# KiCad board M92 Bluetooth Adapter Motherboard.kicad_pcb
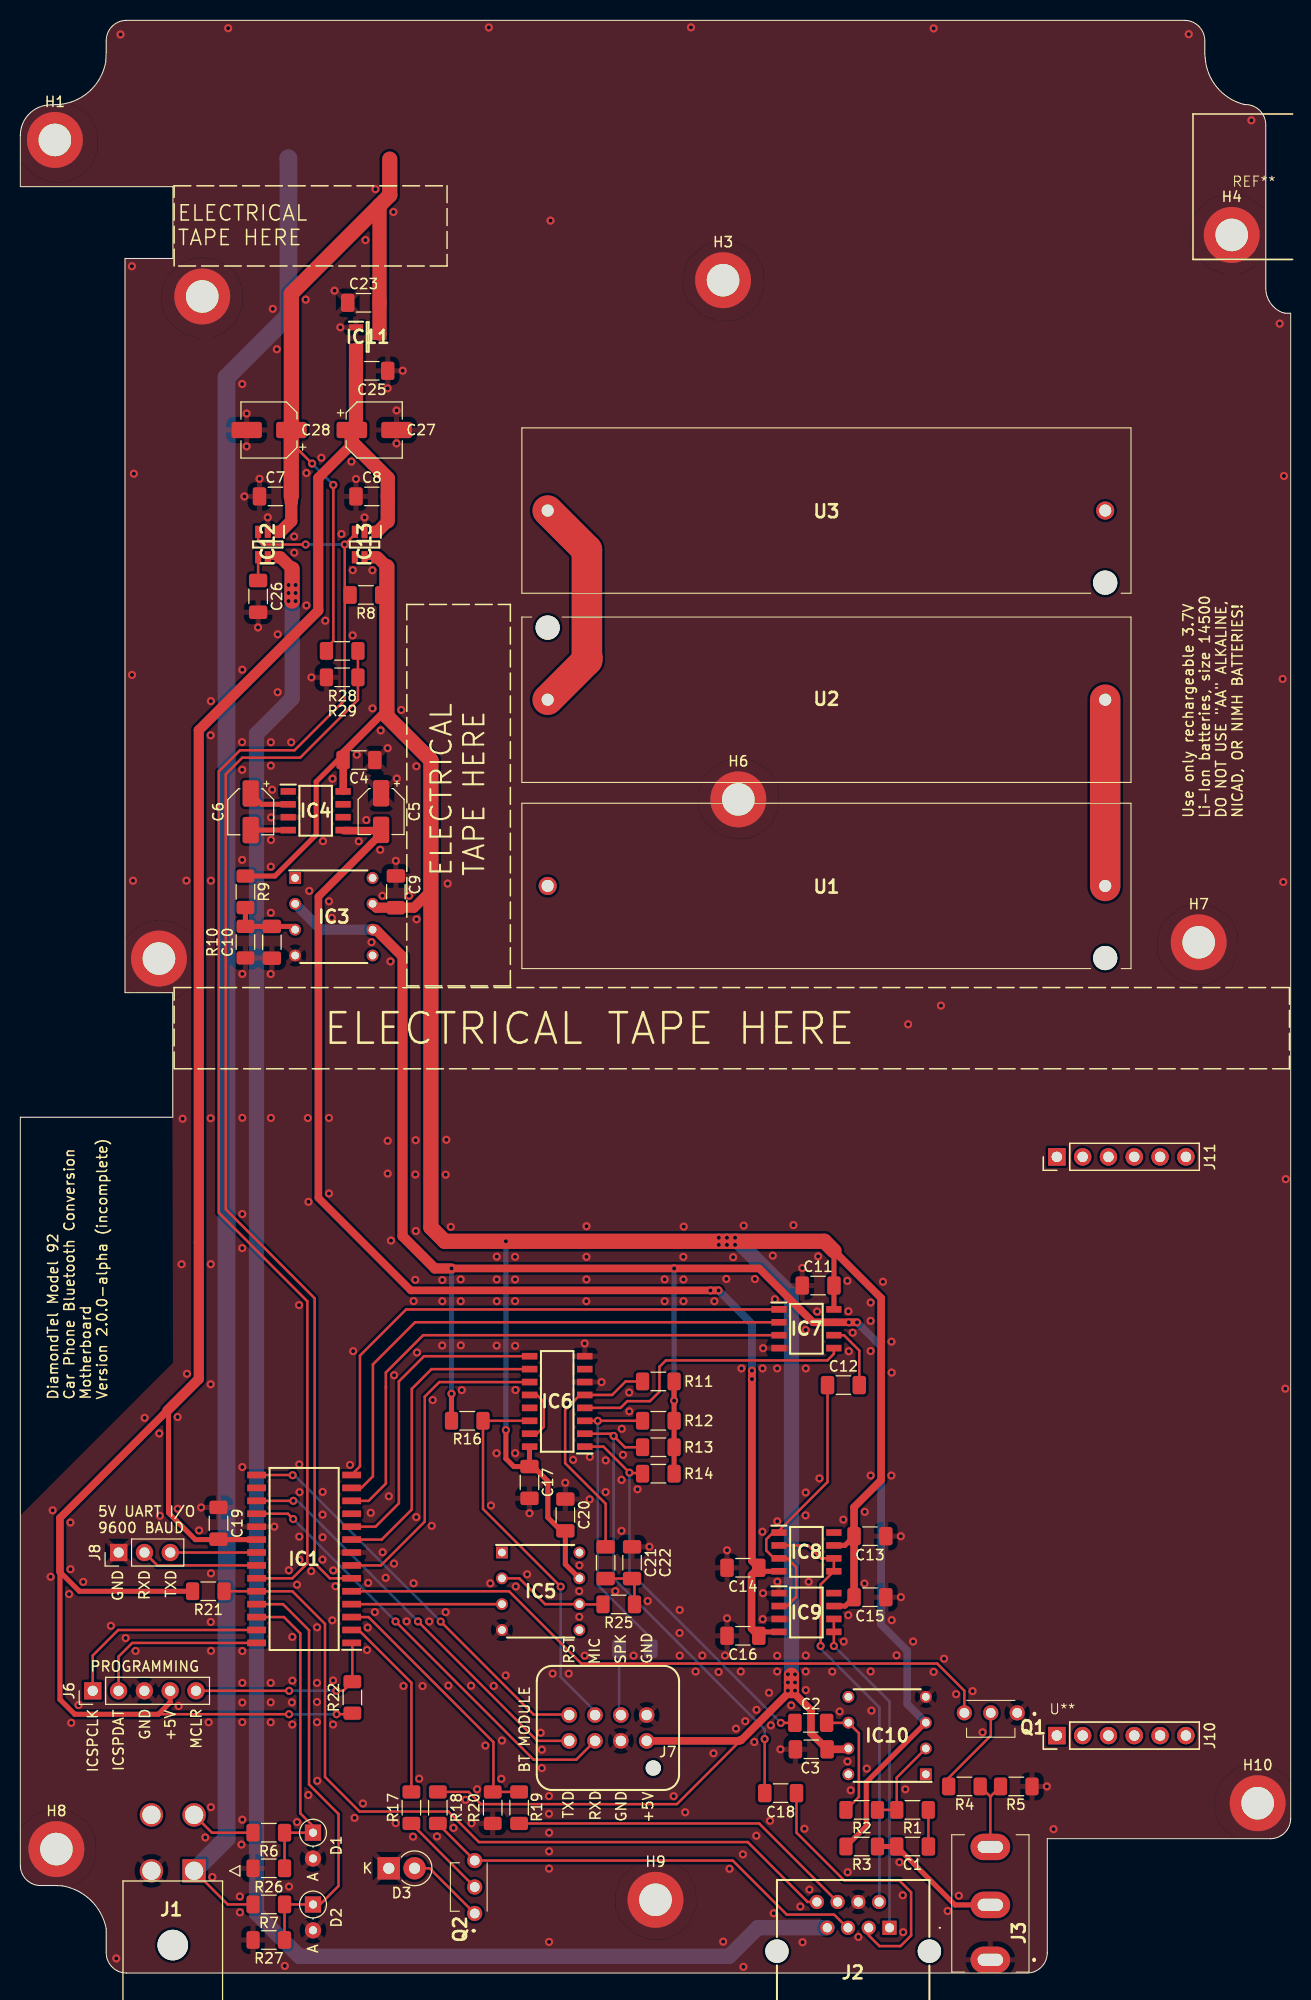
[diagram p0: board, top side]
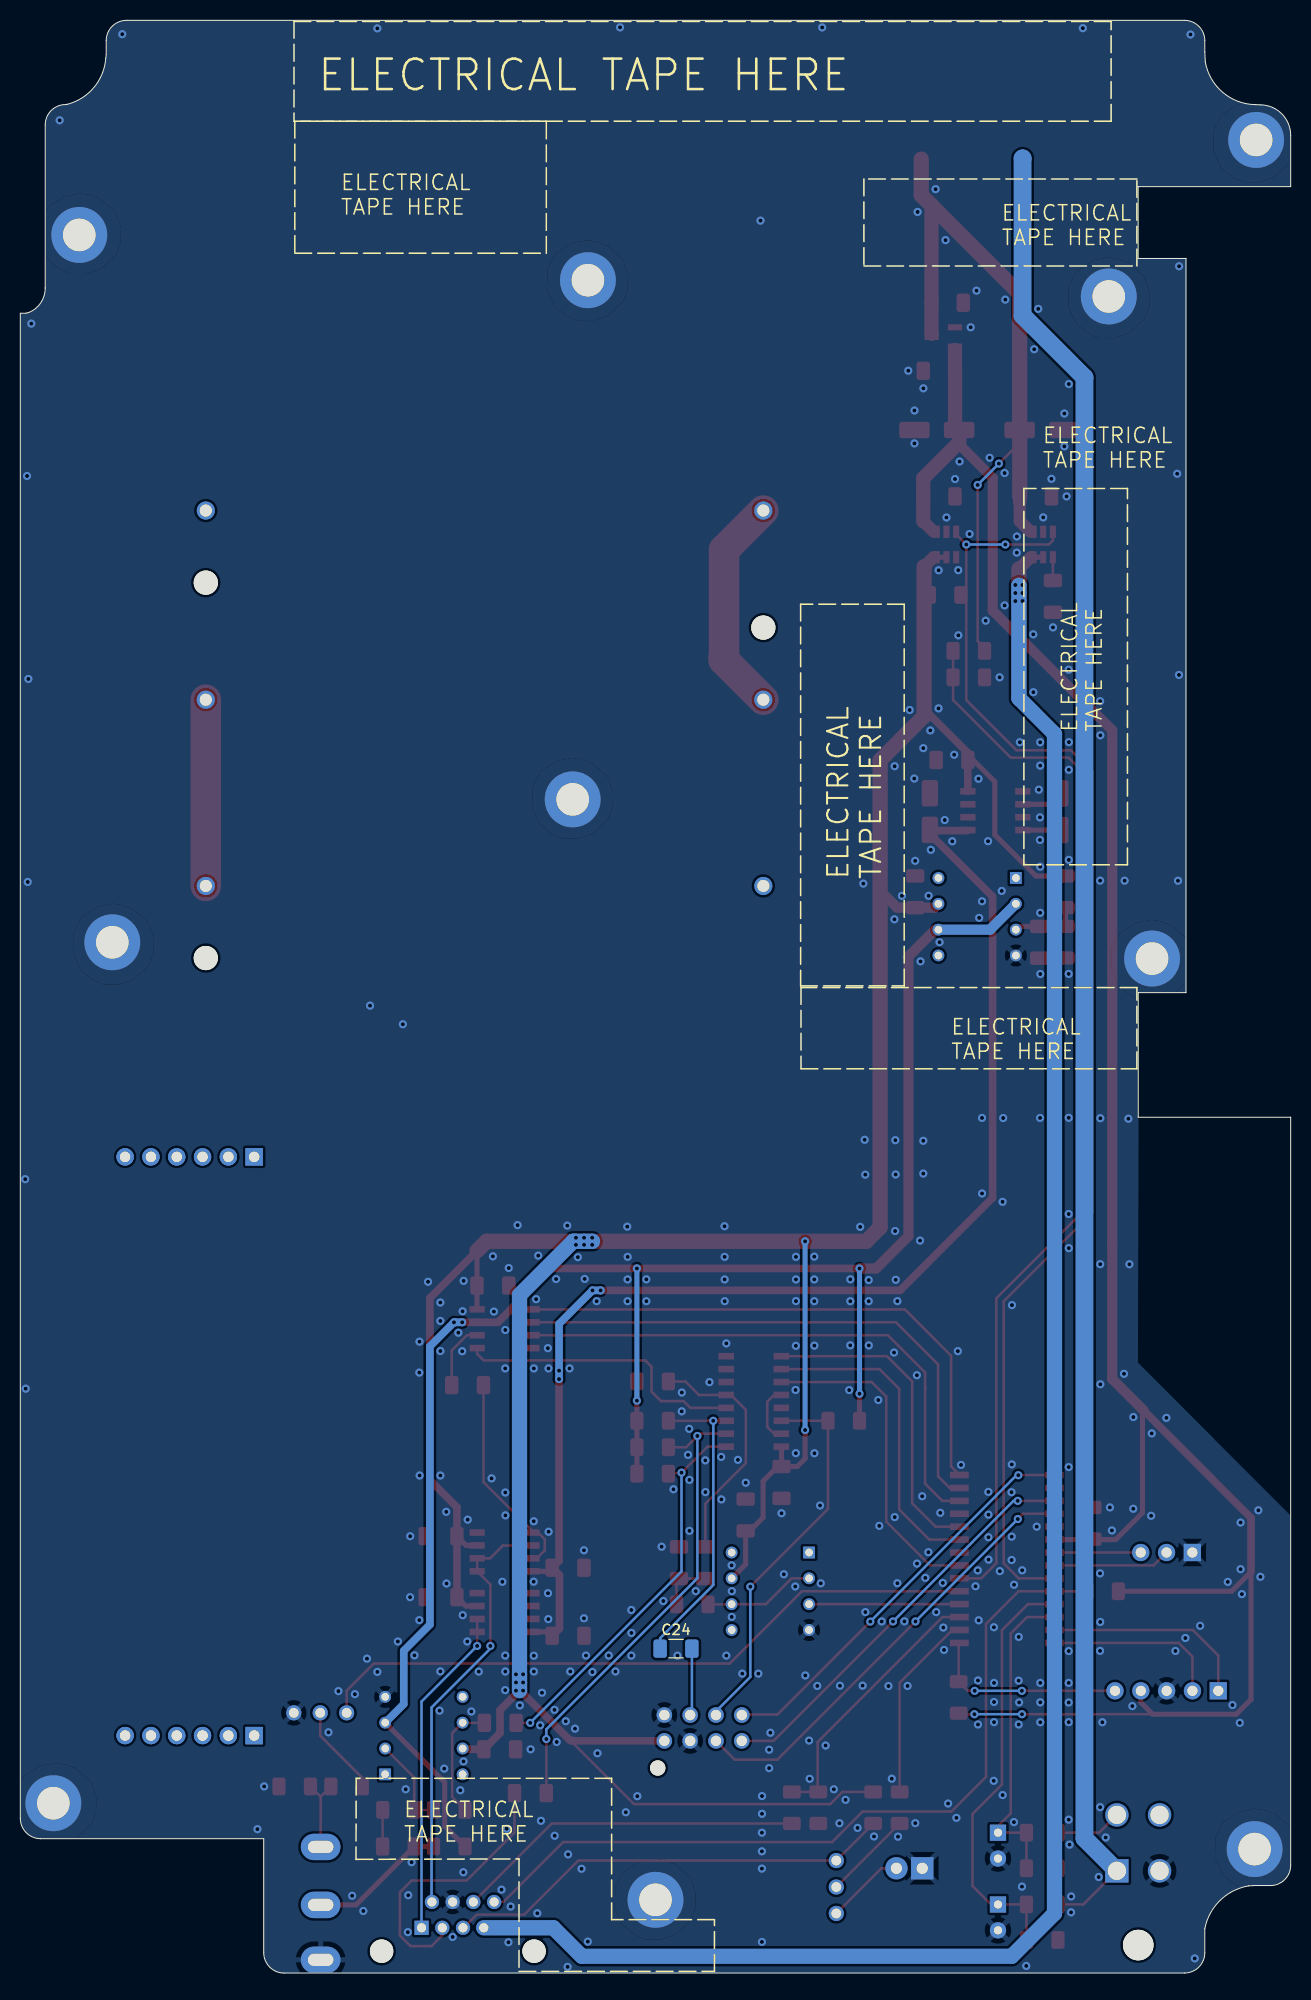
[diagram p1: board, bottom side, seen from below]

Outline 125 x 192 mm; copper layers: Top, Bottom. Coordinates in mm from the lower left corner of the outline.
Outline path: 0,180.69 0,175.65 15.01,175.65 15.01,168.59 10.3,168.59 10.3,96.4 15,96.4 15,84.15 0,84.15 0,10.6 arc(0.59,9.19) 2,8.6 3.65,8.6 4.14,8.57 arc(6.96,7.13) 8.45,4.35 8.45,2 arc(9.04,0.59) 10.45,0 99.05,0 arc(100.46,0.59) 101.05,2 101.05,13.21 123,13.21 arc(124.41,13.8) 125,15.21 125,163.2 124.45,163.2 124.2,163.27 arc(122.99,164.22) 122.55,165.69 122.55,181.72 arc(121.96,183.13) 120.55,183.72 120.35,183.75 arc(117.75,185.42) 116.59,188.28 116.55,188.65 116.55,190 arc(115.96,191.41) 114.55,192 10.45,192 arc(9.04,191.41) 8.45,190 8.45,188.89 8.4,187.91 arc(6.7,184.93) 3.5,183.71 3,183.69 arc(0.88,182.81) 0,180.69

## Placement (name value [footprint] x y rotation side)
C1  0.1uF  [C_1206_3216Metric_Pad1.33x1.80mm_HandSolder]  87.79 12.44 180 top
C2  0.1uF  [C_1206_3216Metric_Pad1.33x1.80mm_HandSolder]  77.78 24.6 0 top
C3  0.1uF  [C_1206_3216Metric_Pad1.33x1.80mm_HandSolder]  77.83 22 0 top
C4  0.1uF  [C_1206_3216Metric_Pad1.33x1.80mm_HandSolder]  33.32 119.27 180 top
C5  10uF  [CP_Elec_4x5.4]  35.5 114.2 270 top
C6  10uF  [CP_Elec_4x5.4]  22.67 114.18 270 top
C7  1uF  [C_1206_3216Metric_Pad1.33x1.80mm_HandSolder]  25.1 145.19 180 top
C8  1uF  [C_1206_3216Metric_Pad1.33x1.80mm_HandSolder]  34.59 145.19 180 top
C9  0.1uF  [C_1206_3216Metric_Pad1.33x1.80mm_HandSolder]  36.95 106.31 270 top
C10  2.2uF  [C_1206_3216Metric_Pad1.33x1.80mm_HandSolder]  24.75 101.35 270 top
C11  0.1uF  [C_1206_3216Metric_Pad1.33x1.80mm_HandSolder]  78.5 67.6 180 top
C12  0.1uF  [C_1206_3216Metric_Pad1.33x1.80mm_HandSolder]  80.99 57.81 0 top
C13  1uF  [C_1206_3216Metric_Pad1.33x1.80mm_HandSolder]  83.6 42.96 0 top
C14  1uF  [C_1206_3216Metric_Pad1.33x1.80mm_HandSolder]  71.1 39.85 180 top
C15  1uF  [C_1206_3216Metric_Pad1.33x1.80mm_HandSolder]  83.6 36.96 0 top
C16  1uF  [C_1206_3216Metric_Pad1.33x1.80mm_HandSolder]  71.1 33.16 180 top
C17  0.1uF  [C_1206_3216Metric_Pad1.33x1.80mm_HandSolder]  50.1 48.24 270 top
C18  0.1uF  [C_1206_3216Metric_Pad1.33x1.80mm_HandSolder]  74.81 17.69 0 top
C19  0.1uF  [C_1206_3216Metric_Pad1.33x1.80mm_HandSolder]  19.5 44.22 270 top
C20  0.1uF  [C_1206_3216Metric_Pad1.33x1.80mm_HandSolder]  53.63 45.04 90 top
C21  0.1uF  [C_1206_3216Metric_Pad1.33x1.80mm_HandSolder]  57.59 40.35 90 top
C22  10nF  [C_1206_3216Metric_Pad1.33x1.80mm_HandSolder]  60.19 40.35 270 top
C23  1uF  [C_1206_3216Metric_Pad1.33x1.80mm_HandSolder]  33.78 164.23 180 top
C24  0.1uF  [C_1206_3216Metric_Pad1.33x1.80mm_HandSolder]  60.48 31.9 180 bottom
C25  1uF  [C_1206_3216Metric_Pad1.33x1.80mm_HandSolder]  34.59 157.54 180 top
C26  4.7nF  [C_1206_3216Metric_Pad1.33x1.80mm_HandSolder]  23.4 135.36 270 top
C27  100uf  [CP_Elec_5x5.4]  34.82 151.72 0 top
C28  100uf  [CP_Elec_5x5.4]  24.47 151.72 180 top
D1  NZX5V1B,133  [D_DO-35_SOD27_P2.54mm_Vertical_AnodeUp]  28.8 13.8 270 top
D2  NZX5V1B,133  [D_DO-35_SOD27_P2.54mm_Vertical_AnodeUp]  28.8 6.74 270 top
D3  1N4007  [D_DO-41_SOD81_P2.54mm_Vertical_KathodeUp]  36.25 10.3 0 top
H1  MountingHole_Pad  [MountingHole_3.2mm_M3_ISO14580_Pad]  3.4 180.24 0 top
H2  MountingHole_Pad  [MountingHole_3.2mm_M3_ISO14580_Pad]  17.9 164.85 0 top
H3  MountingHole_Pad  [MountingHole_3.2mm_M3_ISO14580_Pad]  69.15 166.45 0 top
H4  MountingHole_Pad  [MountingHole_3.2mm_M3_ISO14580_Pad]  119.2 170.9 0 top
H5  MountingHole_Pad  [MountingHole_3.2mm_M3_ISO14580_Pad]  13.64 99.75 0 top
H6  MountingHole_Pad  [MountingHole_3.2mm_M3_ISO14580_Pad]  70.65 115.4 0 top
H7  MountingHole_Pad  [MountingHole_3.2mm_M3_ISO14580_Pad]  115.95 101.35 0 top
H8  MountingHole_Pad  [MountingHole_3.2mm_M3_ISO14580_Pad]  3.55 12.19 0 top
H9  MountingHole_Pad  [MountingHole_3.2mm_M3_ISO14580_Pad]  62.5 7.2 0 top
H10  MountingHole_Pad  [MountingHole_3.2mm_M3_ISO14580_Pad]  121.75 16.7 0 top
IC1  PIC18F27Q43-I/SO  [SOIC127P1030X265-28N]  27.93 40.72 180 top
IC3  NJU7031D / NJU7031M  [DIP762W56P254L880H425Q8N]  30.85 103.86 0 top
IC4  TL7660IDR  [SOIC127P600X175-8N]  29.06 114.28 0 top
IC5  NJU7031D / NJU7031M  [DIP762W56P254L880H425Q8N]  51.2 37.54 0 top
IC6  MAX4619CSE+  [SOIC127P600X175-16N]  52.83 56.21 180 top
IC7  MCP4151-103E/SN  [SOIC127P600X175-8N]  77.35 63.35 0 top
IC8  INA105KU/2K5G4  [SOIC127P600X175-8N]  77.35 41.41 0 top
IC9  INA105KU/2K5G4  [SOIC127P600X175-8N]  77.35 35.45 0 top
IC10  NJU7031D / NJU7031M  [DIP762W56P254L880H425Q8N]  85.29 23.35 180 top
IC11  MCP1702T-5002E_CB  [SOT95P255X145-3N]  34.18 160.87 0 top
IC12  TPS22810DBVR  [SOT95P280X145-6N]  24.35 140.46 270 top
IC13  TPS22917DBVR  [SOT95P280X145-6N]  33.87 140.46 270 top
J1  Conn_External_Power  [172448-YY04]  17.1 10.05 0 top
J2  Conn_Handset_RJ45  [KYCON_GLX-N-88M]  85.52 4.45 0 top
J3  Conn_External_Mic  [MJ3502N]  95.45 1.3 90 top
J6  Conn_MCU_Programming  [PinHeader_1x05_P2.54mm_Vertical]  7.12 27.75 90 top
J7  Conn_BT_Module  [JAE_DRA-8SC-F0]  61.63 25.37 180 top
J8  Conn_MCU_IO_UART  [PinHeader_1x03_P2.54mm_Vertical]  9.67 41.35 90 top
J10  PREC006SAAN-RC  [PinHeader_1x06_P2.54mm_Vertical]  101.99 23.35 90 top
J11  PREC006SAAN-RC  [PinHeader_1x06_P2.54mm_Vertical]  101.99 80.25 90 top
Q1  PN2222ATA / MMBT2222A  [BC33740TA]  96.39 25 180 top
Q2  PN2222ATA / MMBT2222A  [BC33740TA]  44.12 7.56 90 top
R1  5.1kΩ  [R_1206_3216Metric_Pad1.30x1.75mm_HandSolder]  87.79 16.04 0 top
R2  1MΩ  [R_1206_3216Metric_Pad1.30x1.75mm_HandSolder]  82.79 16.04 180 top
R3  1kΩ  [R_1206_3216Metric_Pad1.30x1.75mm_HandSolder]  82.79 12.44 0 top
R4  100kΩ  [R_1206_3216Metric_Pad1.30x1.75mm_HandSolder]  92.9 18.35 0 top
R5  100kΩ  [R_1206_3216Metric_Pad1.30x1.75mm_HandSolder]  98 18.35 180 top
R6  5.1kΩ  [R_1206_3216Metric_Pad1.30x1.75mm_HandSolder]  24.45 13.8 180 top
R7  5.1kΩ  [R_1206_3216Metric_Pad1.30x1.75mm_HandSolder]  24.45 6.75 180 top
R8  1MΩ  [R_1206_3216Metric_Pad1.30x1.75mm_HandSolder]  34 135.5 180 top
R9  100kΩ  [R_1206_3216Metric_Pad1.30x1.75mm_HandSolder]  22.15 106.31 270 top
R10  100kΩ  [R_1206_3216Metric_Pad1.30x1.75mm_HandSolder]  22.15 101.36 270 top
R11  100kΩ  [R_1206_3216Metric_Pad1.30x1.75mm_HandSolder]  62.78 58.17 0 top
R12  100kΩ  [R_1206_3216Metric_Pad1.30x1.75mm_HandSolder]  62.78 54.3 0 top
R13  100kΩ  [R_1206_3216Metric_Pad1.30x1.75mm_HandSolder]  62.78 51.7 0 top
R14  100kΩ  [R_1206_3216Metric_Pad1.30x1.75mm_HandSolder]  62.78 49.1 0 top
R16  100kΩ  [R_1206_3216Metric_Pad1.30x1.75mm_HandSolder]  43.98 54.3 0 top
R17  10kΩ  [R_1206_3216Metric_Pad1.30x1.75mm_HandSolder]  38.48 16.26 90 top
R18  2kΩ  [R_1206_3216Metric_Pad1.30x1.75mm_HandSolder]  41.08 16.26 270 top
R19  1kΩ  [R_1206_3216Metric_Pad1.30x1.75mm_HandSolder]  49.08 16.26 270 top
R20  2kΩ  [R_1206_3216Metric_Pad1.30x1.75mm_HandSolder]  46.48 16.26 270 top
R21  100kΩ  [R_1206_3216Metric_Pad1.30x1.75mm_HandSolder]  18.5 37.54 0 top
R22  10kΩ  [R_1206_3216Metric_Pad1.30x1.75mm_HandSolder]  32.67 27.1 90 top
R25  7.5kΩ  [R_1206_3216Metric_Pad1.30x1.75mm_HandSolder]  58.88 36.25 0 top
R26  100kΩ  [R_1206_3216Metric_Pad1.30x1.75mm_HandSolder]  24.45 10.3 0 top
R27  100kΩ  [R_1206_3216Metric_Pad1.30x1.75mm_HandSolder]  24.45 3.25 0 top
R28  560kΩ  [R_1206_3216Metric_Pad1.30x1.75mm_HandSolder]  31.67 130 0 top
R29  330kΩ  [R_1206_3216Metric_Pad1.30x1.75mm_HandSolder]  31.67 127.4 180 top
REF**  -  [DiamondTel Antenna Connector]  121.39 175.64 0 top
U1  -  [1028]  106.75 106.89 180 top
U2  -  [1028]  51.89 125.2 0 top
U3  -  [1028]  106.75 143.8 180 top
U**  -  [Programming Port]  102.04 23.35 0 top

## Library data of the parts
C1-C4 C9 C11 C12 C17-C21 C24 = -: Description: Unpolarized capacitor; JLCPCB Part #: C24497; Manufacturer_Name: KEMET; Manufacturer_Part_Number: C1206C104J4HACTU; Mouser Part Number: 80-C1206C104J4HACTU; Mouser Price/Stock: https://www.mouser.com/ProductDetail/KEMET/C1206C104J4HACTU?qs=W0yvOO0ixfH3SzteelzlzQ%3D%3D
C5 C6 = -: Description: Polarized capacitor; Height: 5.4; JLCPCB Part #: C473425; Manufacturer_Name: KEMET; Manufacturer_Part_Number: EDH106M016A9BAA; Mouser Part Number: 80-EDH106M016A9BAA; Mouser Price/Stock: https://www.mouser.com/ProductDetail/KEMET/EDH106M016A9BAA?qs=iR2ablhfrmGRSCLQdrL4eg%3D%3D
C7 C8 C13-C16 C23 C25 = -: Description: Unpolarized capacitor; JLCPCB Part #: C1848; Manufacturer_Name: KEMET; Manufacturer_Part_Number: C1206C105J4RAC; Mouser Part Number: 80-C1206C105J4RAC; Mouser Price/Stock: https://www.mouser.com/ProductDetail/KEMET/C1206C105J4RAC?qs=esDHISMOsl0f41aGH%2FVPNQ%3D%3D
C10 = -: Description: Unpolarized capacitor; JLCPCB Part #: C454096; Manufacturer_Name: KEMET; Manufacturer_Part_Number: C1206C225J4RACTU; Mouser Part Number: 80-C1206C225J4R; Mouser Price/Stock: https://www.mouser.com/ProductDetail/KEMET/C1206C225J4RACTU?qs=m0aKnHR%2FAE52qxZ60Kenpg%3D%3D
C22 = -: Description: Unpolarized capacitor; JLCPCB Part #: C1846; Manufacturer_Name: KEMET; Manufacturer_Part_Number: C1206C103J5RAC7210; Mouser Part Number: 80-C1206C103J5RACLR; Mouser Price/Stock: https://www.mouser.com/ProductDetail/KEMET/C1206C103J5RAC7210?qs=6%252BYqE%252B3CbMnE88U2bDOWwA%3D%3D
C26 = -: Description: Unpolarized capacitor; JLCPCB Part #: C105997; Manufacturer_Name: KEMET; Manufacturer_Part_Number: C1206C472J5RACTU; Mouser Part Number: 80-C1206C472J5R; Mouser Price/Stock: https://www.mouser.com/ProductDetail/KEMET/C1206C472J5RACTU?qs=r2jlKVnzDcO4YYHYPtJPBg%3D%3D
C27 C28 = -: Description: Polarized capacitor; JLCPCB Part #: C2977467
D1 D2 = -: Description: Zener diode; Manufacturer_Name: Nexperia; Mouser Part Number: 771-NZX5V1B,133; Mouser Price/Stock: https://www.mouser.com/ProductDetail/Nexperia/NZX5V1B133?qs=mSipnS5lFm8BuFOR0Qsn%2Fw%3D%3D
D3 = -: Description: 1000V 1A General Purpose Rectifier Diode, DO-41; Manufacturer_Name: Comchip Technology; Manufacturer_Part_Number: 1N4007-G; Mouser Part Number: 750-1N4007-G; Mouser Price/Stock: https://www.mouser.com/ProductDetail/Comchip-Technology/1N4007-G?qs=2qJf6qQ4IOKzApuByvlhjQ%3D%3D; Sim.Device: D; Sim.Pins: 1=K 2=A
H1-H10 = -: Description: Mounting Hole with connection
IC1 = -: Description: 8-bit Microcontrollers - MCU 128KB Flash, 8KB RAM, 1KB EEPROM, 12b ADC2, 5b DAC, Comp, PWM, CCP, CWG, HLT, WWDT, SCAN/CRC, ZCD, PPS, EUSART, SPI/I2C, IDLE/DOZE/PMD; Height: 2.65; JLCPCB Part #: C646530; Manufacturer_Name: Microchip; Mouser Part Number: 579-PIC18F27Q43-I/SO; Mouser Price/Stock: https://www.mouser.com/ProductDetail/Microchip-Technology/PIC18F27Q43-I-SO?qs=T3oQrply3y%2FGU82PqOHndA%3D%3D
IC3 IC5 IC10 = -: Description: NJU7031D New Japan Radio, Op Amp, 1.5MHz, 5  15 V, 8-Pin PDIP; Height: 4.25; Manufacturer_Name: New Japan Radio; Manufacturer_Part_Number: NJU7031D; Mouser Part Number: 513-NJU7031D; Mouser Price/Stock: https://www.mouser.com/ProductDetail/Nisshinbo/NJU7031D?qs=h19x94Mol3zae2an8c91lA%3D%3D
IC4 = -: Description: CMOS Voltage Converter; Height: 1.75; JLCPCB Part #: C2071722; Manufacturer_Name: Texas Instruments; Mouser Part Number: 595-TL7660IDR; Mouser Price/Stock: https://www.mouser.com/ProductDetail/Texas-Instruments/TL7660IDR?qs=jZi1jxfVU96QBF8szGiP8Q%3D%3D
IC6 = -: Description: MAXIM INTEGRATED / ANALOG DEVICES - MAX4619CSE+ - Analogue Switch, CMOS, 3 Channels, SPDT, 10 ohm, 2V to 5.5V, NSOIC, 16 Pins; Height: 1.75; JLCPCB Part #: C2673707; Manufacturer_Name: Analog Devices; Mouser Part Number: 700-MAX4619CSE+; Mouser Price/Stock: https://www.mouser.com/ProductDetail/Analog-Devices-Maxim-Integrated/MAX4619CSE%2b?qs=OjdDRS8jtCYbJC3SYTRKnA%3D%3D
IC7 = -: Description: Digital Potentiometer 256 Step 10kOhm; Height: 1.75; JLCPCB Part #: C636062; Manufacturer_Name: Microchip; Mouser Part Number: 579-MCP4151-103E/SN; Mouser Price/Stock: https://www.mouser.com/ProductDetail/Microchip-Technology/MCP4151-103E-SN?qs=hH%252BOa0VZEiAoJsLv17GnPA%3D%3D
IC8 IC9 = -: Description: IC OPAMP DIFF 1 CIRCUIT 8SOIC; Height: 1.75; JLCPCB Part #: C2060348; Manufacturer_Name: Texas Instruments; Mouser Part Number: 595-INA105KU/2K5; Mouser Price/Stock: https://www.mouser.com/ProductDetail/Texas-Instruments/INA105KU-2K5?qs=VBduBm9rCJT7qKfLrhzh4Q%3D%3D
IC11 = -: Description: LDO regulator, +5.0V 250mA, SC59 Microchip MCP1702T-5002E/CB, LDO Voltage Regulator, 0.25A, 5 V  /-0.4%, 2.7 ??? 13.2 Vin, 3-Pin SOT-23A; Height: 1.45; JLCPCB Part #: C180192; Manufacturer_Name: Microchip; Manufacturer_Part_Number: MCP1702T-5002E/CB; Mouser Part Number: 579-MCP1702T5002E/CB; Mouser Price/Stock: https://www.mouser.com/ProductDetail/Microchip-Technology/MCP1702T-5002E-CB?qs=jZi1jxfVU95NUMznXPYCsw%3D%3D
IC12 = -: Description: 18V, 3A, 79m Load Switch with Adjustable Rise Time, Adj. Quick Output Discharge, & Thermal Shutdown; Height: 1.45; JLCPCB Part #: C205990; Manufacturer_Name: Texas Instruments; Mouser Part Number: 595-TPS22810DBVR; Mouser Price/Stock: https://www.mouser.com/ProductDetail/Texas-Instruments/TPS22810DBVR?qs=34RfhUjJmKcFqeJVMZZhPA%3D%3D
IC13 = -: Description: Power Switch ICs - Power Distribution TPS22917 Ultra-Low Leakage, 5.5-V, 2-A, 80-m On-Resistance Load Switch 6-SOT-23 -40 to 125; Height: 1.45; JLCPCB Part #: C2681320; Manufacturer_Name: Texas Instruments; Mouser Part Number: 595-TPS22917DBVR; Mouser Price/Stock: https://www.mouser.com/ProductDetail/Texas-Instruments/TPS22917DBVR?qs=r5DSvlrkXmI%2FDlZ5ksgkuQ%3D%3D
J1 = -: Description: Mini-Fit Jr. Header, Dual Row, Right-Angle, with Snap-in Plastic Peg PCB Lock, 4 Circuits, PA Polyamide Nylon 6/6 94V-2, Glow-Wire Capable; Height: 10; Manufacturer_Name: Molex; Manufacturer_Part_Number: 172448-0004; Mouser Part Number: 538-172448-0004; Mouser Price/Stock: https://www.mouser.com/ProductDetail/Molex/172448-0004?qs=UxK%2FDTs6dB6CtzGMQhL0Hg%3D%3D
J2 = -: Description: Jack Modular Connector 8p8c (RJ45, Ethernet) 90 Angle (Right) Unshielded; Height: 14.85; Manufacturer_Name: Kycon; Manufacturer_Part_Number: GLX-N-88M-BLK; Mouser Part Number: 806-GLX-N-88M-BLK; Mouser Price/Stock: https://www.mouser.com/ProductDetail/Kycon/GLX-N-88M-BLK?qs=moKBCcMDJAVKDCLBxfYIfw%3D%3D
J3 = -: Description: Phone Connectors Audio Jacks; Height: 11.3; Manufacturer_Name: CUI Devices; Manufacturer_Part_Number: MJ-3502N; Mouser Part Number: 490-MJ-3502N; Mouser Price/Stock: https://www.mouser.com/ProductDetail/CUI-Devices/MJ-3502N?qs=WyjlAZoYn51%252Bghx31AcijA%3D%3D
J6 = -: Description: Generic connector, single row, 01x05, script generated
J7 = -: Manufacturer_Name: JAE; Manufacturer_Part_Number: DRA-8SC-F0
J8 = -: Description: Generic connector, single row, 01x03, script generated
J10 J11 = -: Description: Generic connector, single row, 01x06, script generated; Manufacturer_Name: Sullins Connector Solutions
Q1 Q2 = -: Description: Transistor GP BJT NPN 40V 1A TO92 3 Pin; Manufacturer_Name: onsemi; Manufacturer_Part_Number: PN2222ATA; Mouser Part Number: 512-PN2222ATA; Mouser Price/Stock: https://www.mouser.com/ProductDetail/onsemi-Fairchild/PN2222ATA?qs=QwEULm8S1DrfA%2FCRPqYa%252Bw%3D%3D
R1 R6 R7 = -: Description: Resistor; Height: 0.6; JLCPCB Part #: C368272; Manufacturer_Name: Bourns; Manufacturer_Part_Number: CR1206-FX-5101ELF; Mouser Part Number: 652-CR1206FX-5101ELF; Mouser Price/Stock: https://www.mouser.com/ProductDetail/Bourns/CR1206-FX-5101ELF?qs=sGAEpiMZZMvdGkrng054t%2Fh5BnJxeWSzOFEIVWI72qY%3D
R2 R8 = -: Description: Resistor; Height: 0.6; JLCPCB Part #: C17927; Manufacturer_Name: Bourns; Manufacturer_Part_Number: CR1206-FX-1004ELF; Mouser Part Number: 652-CR1206FX-1004ELF; Mouser Price/Stock: https://www.mouser.com/ProductDetail/Bourns/CR1206-FX-1004ELF?qs=sGAEpiMZZMvdGkrng054t%2Fh5BnJxeWSzTqpm%252BH9NqIU%3D
R3 R19 = -: Description: Resistor; Height: 0.6; JLCPCB Part #: C4410; Manufacturer_Name: Bourns; Manufacturer_Part_Number: CR1206-FX-1001ELF; Mouser Part Number: 652-CR1206FX-1001ELF; Mouser Price/Stock: https://www.mouser.com/ProductDetail/Bourns/CR1206-FX-1001ELF?qs=sGAEpiMZZMvdGkrng054t%2Fh5BnJxeWSzM1Z%2Fr5f8MxE%3D
R4 R5 R9-R14 R16 R21 R26 R27 = -: Description: Resistor; Height: 0.6; JLCPCB Part #: C17900; Manufacturer_Name: Bourns; Manufacturer_Part_Number: CR1206-FX-1003ELF; Mouser Part Number: 652-CR1206FX-1003ELF; Mouser Price/Stock: https://www.mouser.com/ProductDetail/Bourns/CR1206-FX-1003ELF?qs=sGAEpiMZZMvdGkrng054t%2Fh5BnJxeWSzEzvHzHwEBoM%3D
R17 R22 = -: Description: Resistor; Height: 0.6; JLCPCB Part #: C17902; Manufacturer_Name: Bourns; Manufacturer_Part_Number: CR1206-FX-1002ELF; Mouser Part Number: 652-CR1206FX-1002ELF; Mouser Price/Stock: https://www.mouser.com/ProductDetail/Bourns/CR1206-FX-1002ELF?qs=sGAEpiMZZMvdGkrng054t%2Fh5BnJxeWSzU6vNG01OyXk%3D
R18 R20 = -: Description: Resistor; Height: 0.6; JLCPCB Part #: C17944; Manufacturer_Name: Bourns; Manufacturer_Part_Number: CR1206-FX-2001ELF; Mouser Part Number: 652-CR1206FX-2001ELF; Mouser Price/Stock: https://www.mouser.com/ProductDetail/Bourns/CR1206-FX-2001ELF?qs=sGAEpiMZZMvdGkrng054t%2Fh5BnJxeWSz1QkOGaMhuRQ%3D